# Altium PCB ProPatch Panel.PcbDoc
Units mil, origin at the board's own origin, x right, y up, seen from the top; angles counter-clockwise.
Board outline 1586 x 5060 mil, 2 copper layers (Top Layer, Bottom Layer), stack 62.192 mil thick; 14 components, 1 nets, 33 pads, 0 vias.
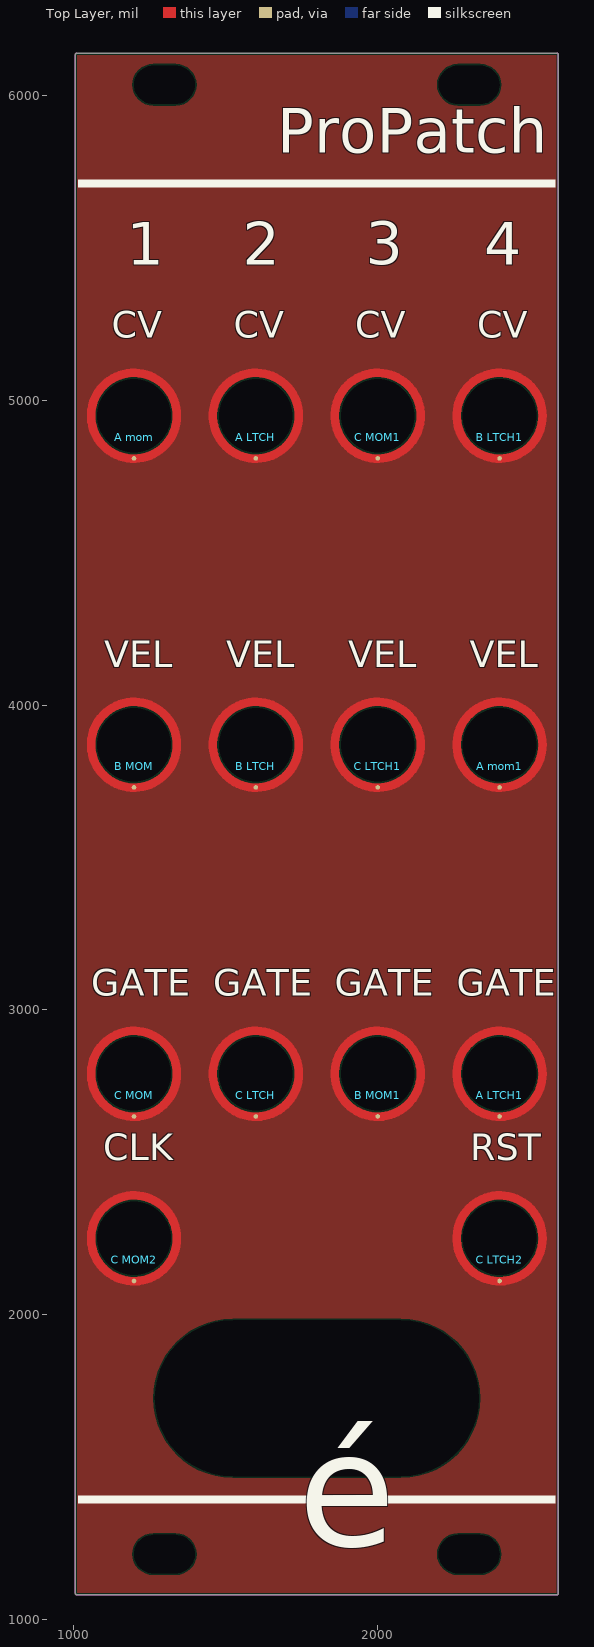
[diagram p0: Top Layer view]
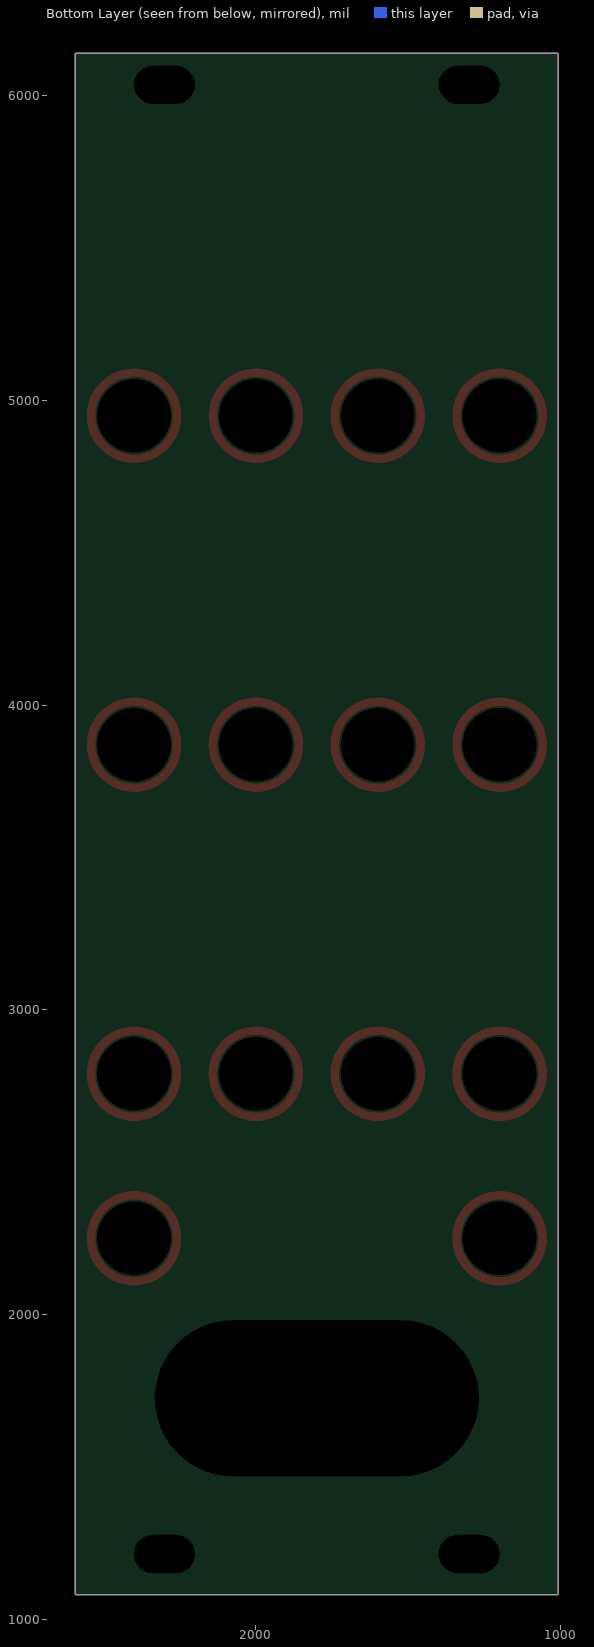
[diagram p1: Bottom Layer view, seen from below]

## Layer stack, top to bottom
Top Solder: solder mask 0.4, Solder Resist, Dk 3.5
Top Layer: signal copper 1.4
Dielectric 1: dielectric 59.3921, FR-4, Dk 4.8
Bottom Layer: signal copper 1.4
Bottom Solder: solder mask 0.4, Solder Resist, Dk 3.5

## Board outline
1012,1080 cw(c1012,1085) 1007,1085 1007,6135 cw(c1012,6135) 1012,6140 2588,6140 cw(c2588,6135) 2593,6135 2593,1085 cw(c2588,1085) 2588,1080

## Design rules (kind name [scope] priority, off if disabled: settings)
Clearance [All] p1: gap=5 ignorepadtopadclearanceinfootprint=TRUE
HoleSize [All] p1: absolutevalues=TRUE maxlimit=39330.71 minlimit=1 maxpercent=80.000 minpercent=20.000
PolygonConnect [All] p1: connectstyle=Direct reliefconductorwidth=10 reliefentries=4 polygonreliefangle="90 Angle" airgapwidth=10
RoutingVias [All] p1: holewidth=28 width=50 viastyle="Through Hole" minholewidth=28 minwidth=50 maxholewidth=28 maxwidth=50
SolderMaskExpansion [All] p1: expansion=4 istentingtop=FALSE
SupplyNets "Schematic Supply Nets" [InNet('GND')] p1: voltage=0.000
Width [All] p1: maxlimit=99999 minlimit=5 preferedwidth=10
29 further rules are at their usual default settings.

## Components (designator, comment, footprint, x,y, rotation, side; value= is the part's Value field where it differs from the comment)
"A LTCH" "3p5mm_JACK_HOLE" 3P5MM_JACK_HOLE 1600,4950 r0 top
"A LTCH1" "3p5mm_JACK_HOLE" 3p5mm_JACK_HOLE 2400,2790 r0 top
"A mom" "3p5mm_JACK_HOLE" 3P5MM_JACK_HOLE 1200,4950 r0 top
"A mom1" "3p5mm_JACK_HOLE" 3p5mm_JACK_HOLE 2400,3870 r0 top
"B LTCH" "3p5mm_JACK_HOLE" 3P5MM_JACK_HOLE 1600,3870 r0 top
"B LTCH1" "3p5mm_JACK_HOLE" 3p5mm_JACK_HOLE 2400,4950 r0 top
"B MOM" "3p5mm_JACK_HOLE" 3P5MM_JACK_HOLE 1200,3870 r0 top
"B MOM1" "3p5mm_JACK_HOLE" 3p5mm_JACK_HOLE 2000,2790 r0 top
"C LTCH" "3p5mm_JACK_HOLE" 3P5MM_JACK_HOLE 1600,2790 r0 top
"C LTCH1" "3p5mm_JACK_HOLE" 3p5mm_JACK_HOLE 2000,3870 r0 top
"C LTCH2" "3p5mm_JACK_HOLE" 3p5mm_JACK_HOLE 2400,2250 r0 top
"C MOM" "3p5mm_JACK_HOLE" 3P5MM_JACK_HOLE 1200,2790 r0 top
"C MOM1" "3p5mm_JACK_HOLE" 3p5mm_JACK_HOLE 2000,4950 r0 top
"C MOM2" "3p5mm_JACK_HOLE" 3p5mm_JACK_HOLE 1200,2250 r0 top

## Footprints (in the part's own frame and the unit in brackets; to place one, negate y for a bottom-side part, rotate by r counter-clockwise, add the part's x,y. Pads: shape width x height; smd on the part's side, far side on the other; paste and mask are expansions set on the pad)
3P5MM_JACK_HOLE [mil]
  round 0 hole 242 unplated: 0(0,0)
  round 15 smd: 1(0,-140)
  Top Layer circle w28: c0,0 r141
3p5mm_JACK_HOLE [mil]
  round 0 hole 242 unplated: 0(0,0)
  round 15 smd: 1(0,-140)
  Top Layer circle w28: c0,0 r141

## Part data
"A LTCH" "A LTCH1" "A mom" "A mom1" "B LTCH" "B LTCH1" "B MOM" "B MOM1" "C LTCH" "C LTCH1" "C LTCH2" "C MOM" "C MOM1" "C MOM2": Manufacturer Part Number=3p5mm_JACK_HOLE, PartNumber=3p5mm_JACK_HOLE

## Free pads (board coordinates)
  round 60 hole 125.98 slot 200 at 0 deg: 0(1300,1213.58) 0(1300,6036.42) 0(2300,1213.58) 0(2300,6036.42)
  round 5 hole 511.81 slot 1062.99 at 0 deg unplated: 0(1800,1725)

## Nets (pads, with @x,y where several pads share a name; then routed paths per layer and width w, separated by ;. In a path a pad name is that pad's centre, name@x,y a point inside that pad or via, vN(x,y) a via of type N, cw(c..) or ccw(c..) an arc to the next point about the centre after c; other vN are vias at no path point)
GND: "A LTCH1.1" "A LTCH.1" "A mom1.1" "A mom.1" "B LTCH1.1" "B LTCH.1" "B MOM1.1" "B MOM.1" "C LTCH1.1" "C LTCH2.1" "C LTCH.1" "C MOM1.1" "C MOM2.1" "C MOM.1"
pads on no net: "A LTCH1.0" "A LTCH.0" "A mom1.0" "A mom.0" "B LTCH1.0" "B LTCH.0" "B MOM1.0" "B MOM.0" "C LTCH1.0" "C LTCH2.0" "C LTCH.0" "C MOM1.0" "C MOM2.0" "C MOM.0"

## Polygon pours and split planes (outlines as drawn)
GND on Top Layer "GND_L01_P000" (solid, pour order 0): 1005,6140 2600,6140 2600,1080 1005,1080

## Keep-outs
Keep-Out Layer:
  the board outline again, w1.97

## Silkscreen, mask and mechanical layers (free items; w line width, h text height)
Top Overlay:
  region: 1017,5700 1017,5725 2583,5725 2583,5700
  region: 1017,1380 1017,1405 2583,1405 2583,1380
  text "ProPatch" at 1670,5765 h250
  text "3" at 1959.85,5402.17 h240
  text "1" at 1175.59,5400 h240
  text "2" at 1556.77,5400 h240
  text "4" at 2349.19,5400 h240
  text "CV" at 1126.87,5176.35 h150
  text "CV" at 1526.87,5176.35 h150
  text "CV" at 1926.87,5176.35 h150
  text "CV" at 2326.87,5176.35 h150
  text "VEL" at 1102.77,4095 h150
  text "VEL" at 1502.77,4095 h150
  text "VEL" at 1902.77,4095 h150
  text "VEL" at 2302.77,4095 h150
  text "GATE" at 1059.41,3016.35 h150
  text "GATE" at 1459.41,3016.35 h150
  text "GATE" at 1859.41,3016.35 h150
  text "GATE" at 2259.41,3016.35 h150
  text "CLK" at 1099.54,2476.35 h150
  text "RST" at 2304.28,2476.35 h150
  text "é" at 1739.3,1117 h650
Mechanical 1:
  the board outline again, w1.97
Mechanical 2:
  lines w1.97: 1000,1000 1000,6250 2600,6250 2600,1000 1000,1000 ; 1007,1085 ccw(c1012,1085) 1012,1080 2588,1080 ccw(c2588,1085) 2593,1085 2593,6135 ccw(c2588,6135) 2588,6140 1012,6140 ccw(c1012,6135) 1007,6135 1007,1085 ; 1017,1525 2583,1525 2583,5725 1017,5725 1017,1525